# Altium PCB AccessControl_V1.0.0.PcbDoc (part 2 of 3) (continued)
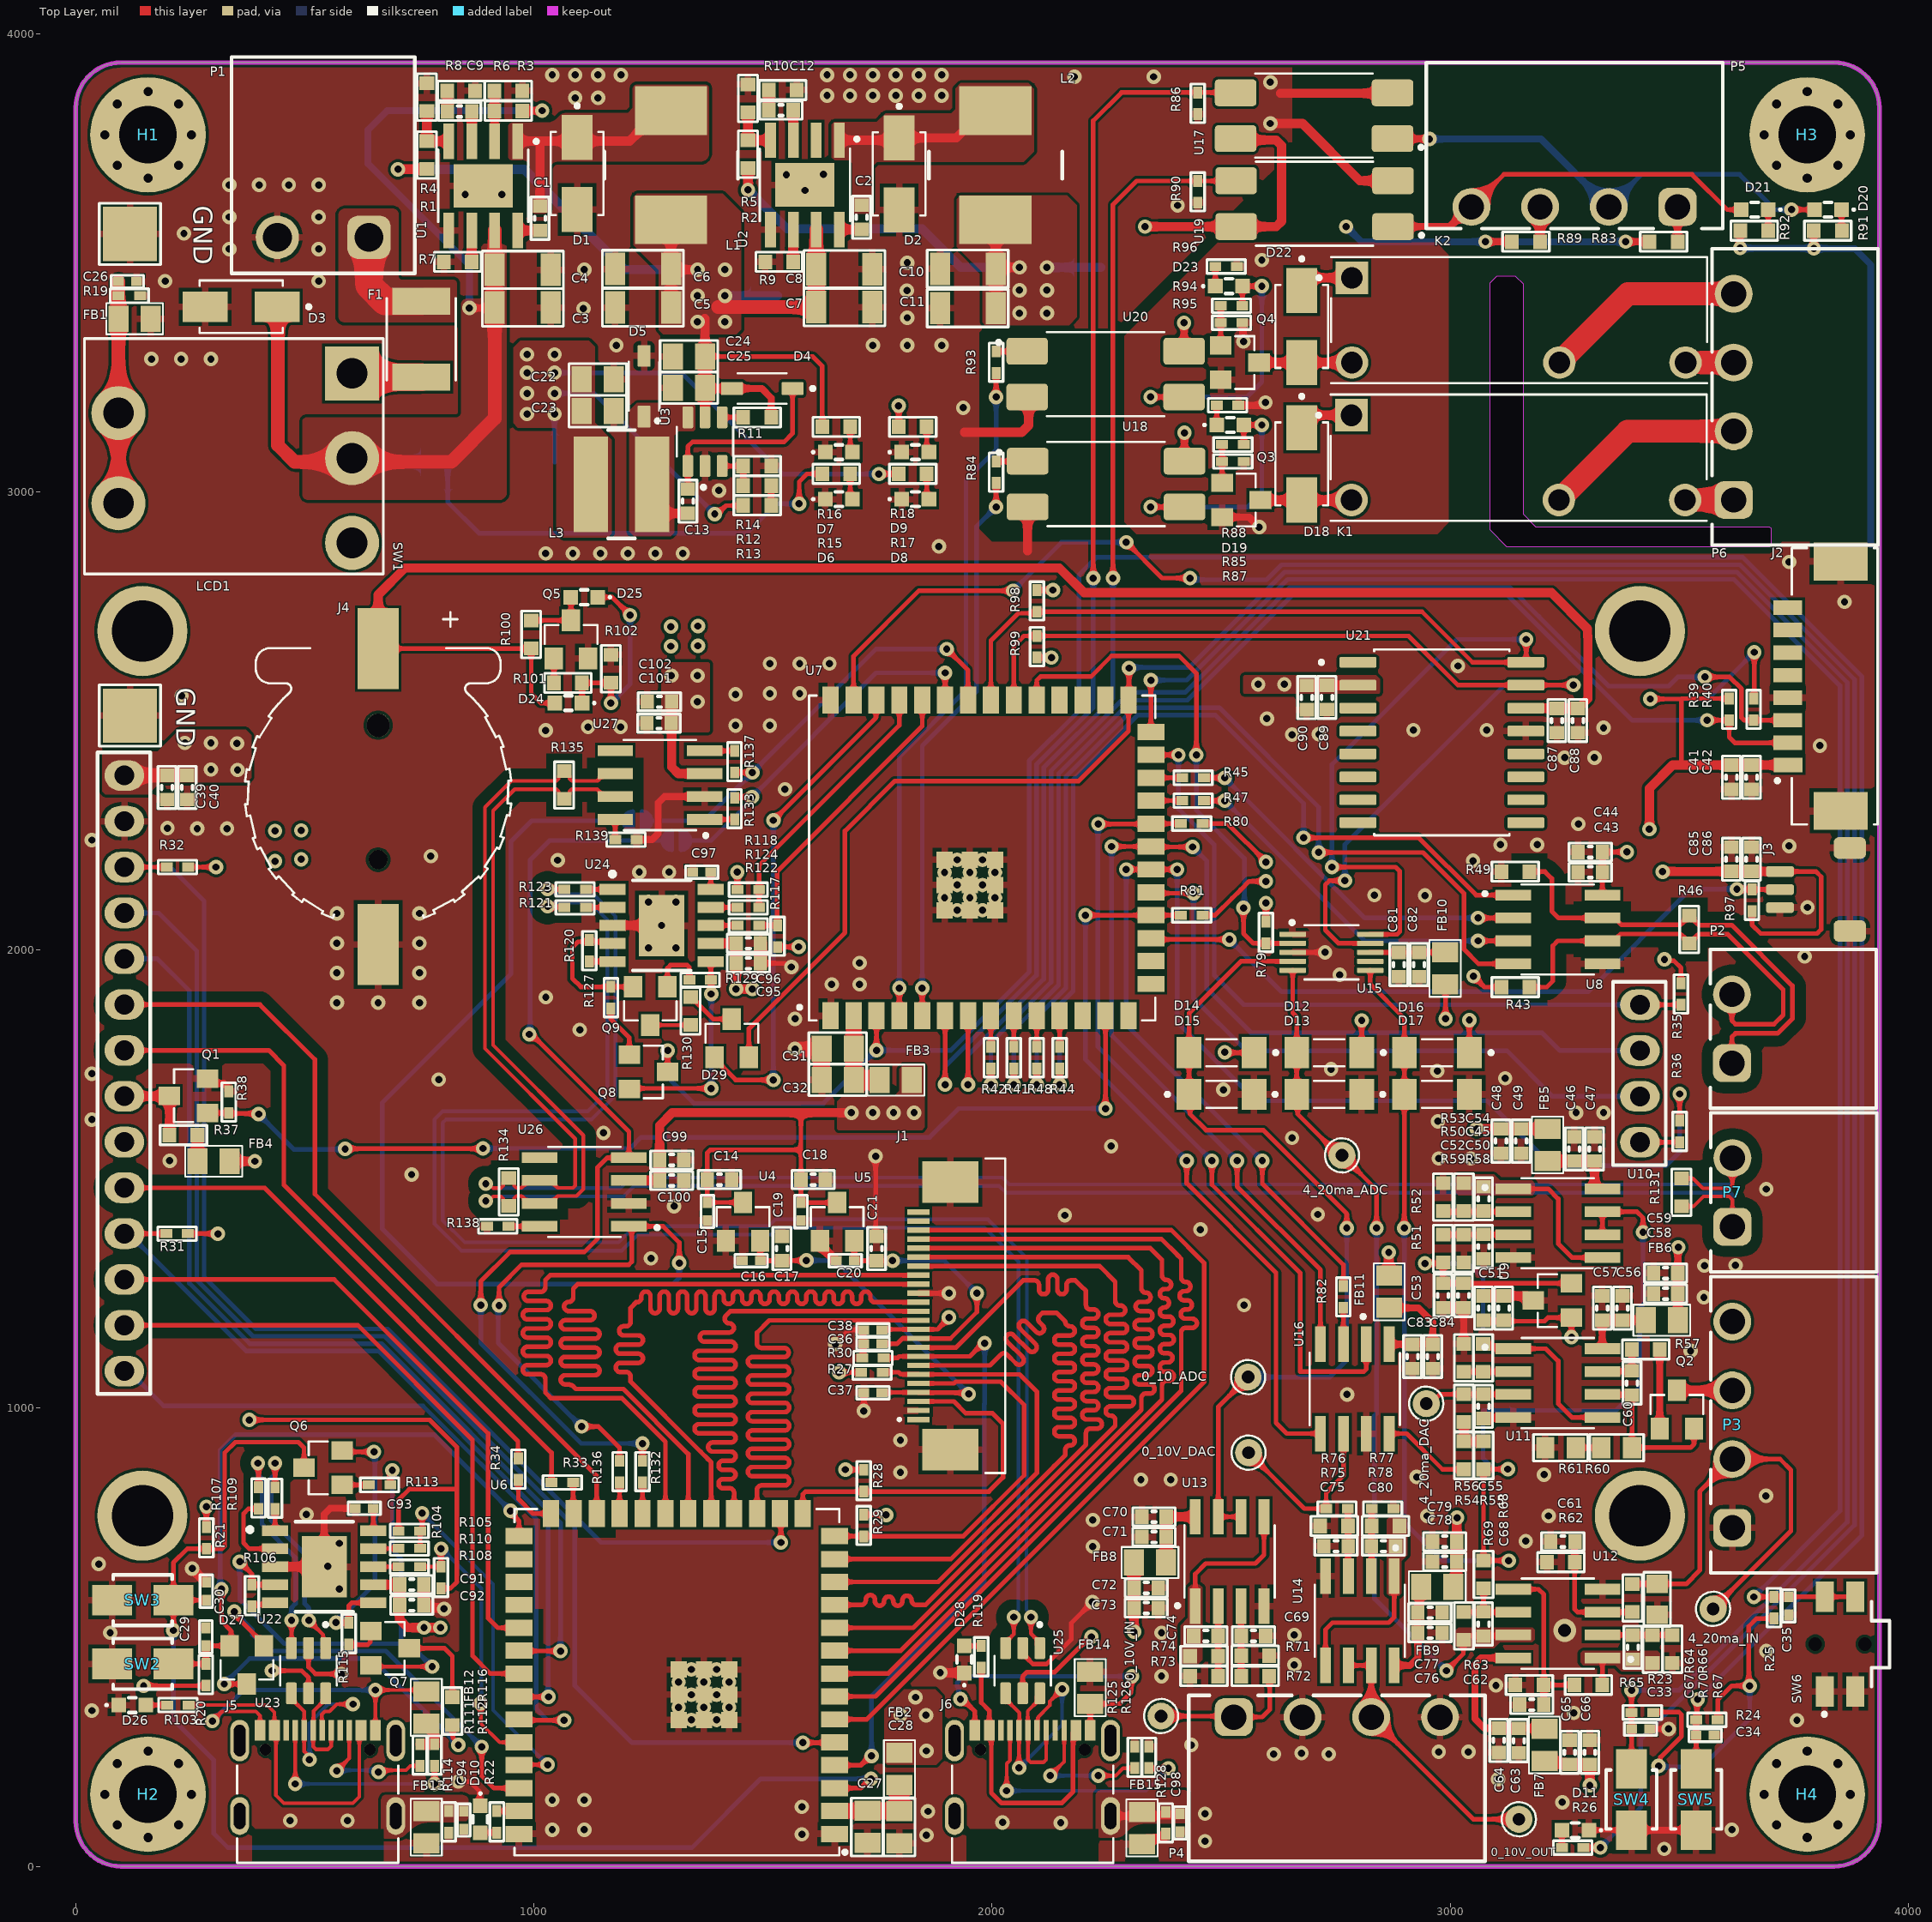
[diagram p0: Top Layer view]
## Nets (pads, with @x,y where several pads share a name; then routed paths per layer and width w, separated by ;. In a path a pad name is that pad's centre, name@x,y a point inside that pad or via, vN(x,y) a via of type N, cw(c..) or ccw(c..) an arc to the next point about the centre after c; other vN are vias at no path point) (continued)
  other v1: 353,2393 295,2394 352,2451 238,2452 295,2452 985,3170 985,3215 985,3260 985,3300 1045,3300
12V: C5.2 C6.2 C7.2 C8.2 C24.2 C25.2 C48.2 C49.2 C58.2 C59.2 C65.2 C66.2 C72.2 C73.2 C78.2 C79.2 D4.A D18.1 D22.1 FB5.2 FB6.2 FB7.2 FB8.2 FB9.2 K1.1 K2.1 L1.2 P3.4 R1.2 R11.2 R16.2 R83.1 R89.1 TP6.1 U2.7 U3.5 U18.4 U20.4 | length 14346.6
  Top Layer w10: C24.2@1373.38,3295.6 C24.2@1373.68,3295.6 1608.4,3295.6 1629.5,3274.5 R16.2@1629.5,3142
  Top Layer w15: C25.2@1373.68,3226.6 1374.68,3225.6 1497.4,3225.6 1517.88,3205.12 R11.2@1517.88,3162.6 ; v1(2419,3369) 2419.26,3368.74 U20.4@2419.26,3307 ; v1(2420,3129) 2420,3067.26 U18.4@2420.26,3067 ; D22.1@2676,3439.72 2676,3441.32 D22.1@2701.96,3467.28 ; D18.1@2677,3139.72 2677,3141.32 D18.1@2702.96,3167.28 ; v1(3077,3546) R89.1@3135,3546 ; v1(3383,3546) R83.1@3435.5,3546 ; FB6.2@3497.11,1192 C58.2@3497.11,1250 C59.2@3497.11,1295 3497.11,1350.47 v1(3498.05,1351.41)
  Top Layer w20: v1(703.32,3704) 703.54,3704.22 766.09,3704.22 R1.2@766.32,3704.44 ; C5.2@1298.85,3401.97 C5.2@1299.32,3402.44 C6.2@1299.32,3486.44 ; L1.2@1299.32,3590.91 C6.2@1299.32,3486.44 ; v1(1357.32,3485) 1300.76,3485 C6.2@1299.32,3486.44 ; 1373,3378 1373.38,3377.62 1373.38,3295.6 U3.5@1373.38,3162.75 U3.5@1373.85,3163.22 ; FB8.2@2309.89,663 C72.2@2309.89,608 C73.2@2309.89,564 2309.95,563.95 2309.95,512.05 v1(2310,512) ; D22.1@2701.96,3467.28 K2.1@2785.65,3467.28 ; D18.1@2702.96,3167.28 K1.1@2784.65,3167.28 ; FB9.2@3007.11,610 3007.11,616.5 3014.57,623.97 C78.2@3014.57,665 C79.2@3014.57,709 3014.57,760.57 v1(3015,761) ; v1(3058,1610) 3058.36,1609.64 C48.2@3111,1609.64 C49.2@3155,1609.64 FB5.2@3213,1609.64 ; FB7.2@3206,229.89 3209.73,226.16 3257.27,226.16 C65.2@3261,222.43 C66.2@3305,222.43 v1(3305,177)
  Top Layer w30: 1402.63,3403 C7.2@1616.32,3403 C8.2@1616.32,3486 U2.7@1616.32,3572.56
  PWR w15: v1(2419,3369) v1@2419.5,3368.5 ; v1@2419.5,3129.5 v1(2420,3129) ; 2650.24,3249 2650.6,3249.36 ; 2650.6,3577 2771,3577 v1(2773,3579)
  PWR w20: v1(2310,512) 2389.28,591.28 3015,591.28 ; v1@2419.5,3129.5 2419.5,3249 ; v1@2419.5,3368.5 2419.5,3249 ; 2650.24,3249 2419.5,3249 ; 2650.6,3167.81 2651.13,3167.28 2698,3167.28 K1.1@2784.65,3167.28 ; 2650.6,3468.39 2651.71,3467.28 K2.1@2785.65,3467.28 ; v1(3015,761) 3015,591.28 ; v1(3058,1610) 3172,1610 3291.67,1490.33 3498.05,1490.33 ; v1(3498.05,1351.41) 3498.05,1490.33 ; 3610.52,252.52 3607.58,252.52 3268.82,591.28 3015,591.28 ; P3.4@3616,1189 3750,1189 3836.3,1189 3840,1185.3 ; 3840,1638.71 3540.71,1638.71 3498.05,1596.05 3498.05,1490.33
  PWR w30: v1(1417,3428) 1417,3485.4 1399.39,3503.02 1399.39,3705.39 1454,3760 2535,3760 2650.6,3644.4 2650.6,3577 2650.6,3468.39 2650.6,3249.36 2650.6,3167.81
  PWR w40: 2698,3167.28 2698,2785 3112,2371 3787,2371 3840,2318 3840,1638.71 3840,1185.3 ; v1(3305,177) 3332,150 3508,150 3610.52,252.52 ; 3607.58,252.52 3750,394.94 3750,1189
  Bottom Layer w15: v1(2773,3579) 2806,3546 v1(3077,3546) v1(3383,3546)
  Bottom Layer w20: v1(703.32,3704) 979.32,3704 1198.32,3485 v1(1357.32,3485) ; v1(1417,3428) TP6.1@1532,3428
  other v1: 1357,3371 1417,3371 1357,3428 1417,3485
12V_FILTER_1: C46.2 C47.2 FB5.1 U10.8 | length 180
  Top Layer w20: FB5.1@3213,1539.43 C46.2@3271,1539.43 C47.2@3316.3,1539.43 ; C47.2@3315.31,1539.43 3315.31,1480.57 3317.13,1478.76 U10.8@3332.44,1478.76
12V_FILTER_2: C56.2 C57.2 FB6.1 U11.8 | length 157.1
  Top Layer w15: U11.8@3332.44,1130 3332,1130.44 C57.2@3332,1192 C56.2@3376,1192 FB6.1@3426.89,1192
12V_FILTER_3: C63.2 C64.2 FB7.1 U12.8 | length 369.7
  Top Layer w15: U12.8@3137.56,455 3067.5,455 3054,441.5 3054,322 3074.43,301.57 C64.2@3106,301.57 3106.73,300.84 3205.27,300.84 FB7.1@3206,300.11
12V_FILTER_4: C70.2 C71.2 FB8.1 U13.8 | length 163.6
  Top Layer w20: FB8.1@2380.11,663 C71.2@2380.11,719 C70.2@2380.11,763 U13.8@2443.74,763.04 U13.8@2443.74,763.04
12V_FILTER_5: C76.2 C77.2 FB9.1 U14.8 | length 215.9
  Top Layer w15: U14.8@2878,438.56 2912.21,438.56 2929.43,455.77 C76.2@2929.43,510 C77.2@2929.43,554 2933.16,557.73 2933.16,606.27 FB9.1@2936.89,610
Battery: C87.2 C88.2 D24.A J4.P R100.2 U21.14 | length 3627
  Top Layer w10: J4.P@660,2657.98 993.48,2657.98 R100.2@994,2658.5 994,2560 1015,2539 D24.A@1046,2539
  Top Layer w20: J4.P@660,2657.98 660,2775.28 718.72,2834 2147,2834 2201,2780 3221,2780 3299.52,2701.48 3299.95,2691.43 ccw(c3414.27,2696.35) 3300.38,2685.28 3301.05,2678.36 3301.05,2548.64 3279.98,2527.57 C88.2@3279,2527.57 C87.2@3233,2527.57 3232.79,2527.79 3165.48,2527.79 U21.14@3165.27,2528
BLE_DIR: Q7.2 R106.2 R113.1 U22.4 | length 1228.3
  Top Layer w8: Q7.2@644.27,438.6 646.87,436 v1(778,436)
  Top Layer w10: v1(358,665) 384.26,638.74 R106.2@384.26,614.63 ; R106.2@387.26,617.63 390.26,614.63 U22.4@434.98,614.63 ; R113.1@686.62,832.6 686.62,860.39 v1(690.89,864.66)
  Bottom Layer w10: v1(358,665) 358,583 455,486 709.97,486 728,486 v1(778,436) ; v1(690.89,864.66) 690.89,690.49 710,671.38 710,486.03
BLE_LED_STATUS: R22.1 U6.39 | length 48.5
  Top Layer w10: R22.1@919,120.79 U6.39@967.51,120.79
BLE_N: R107.1 U23.3 | length 494.1
  Top Layer w8: U23.3@470.6,476.41 471,476.81 v1(471,537)
  Top Layer w10: v1@397.5,879.69 399,878.19 R107.1@399,827.62
  Bottom Layer w10: v1(397.5,880) 397.5,855.5 406.25,846.75 406.25,746.96 479.75,673.47 479.75,573.75 471,565 v1(471,537)
BLE_P: R109.1 U23.1 | length 509.3
  Top Layer w8: v1(508.5,537) 539.89,505.6 539.89,481.92 U23.1@545.4,476.41
  Top Layer w10: R109.1@435,827.24 v1(435,880)
  Bottom Layer w10: v1(435,880) 435,856.07 426.25,847.32 426.25,755.25 499.75,681.75 499.75,573.25 508.5,564.5 v1(508.5,537)
BLE_RTS: Q6.2 R115.1 U22.6 | length 601.2
  Top Layer w10: v1(568,532) 568.19,531.81 595.81,531.81 R115.1@596,531.62 596,569.4 601.86,575.26 U22.6@649.54,575.26 ; Q6.2@581.46,907.4 584.09,904.77 v1(650.77,904.77)
  Bottom Layer w10: v1(568,532) 653,617 653,902.55 v1(650.77,904.77)
BLE_USB_N: J5.A7 J5.B7 U23.4 | length 465.7
  Top Layer w8: U23.4@470.6,377.59 470.6,365.39 478.21,357.77 478.98,357.77 498.47,338.28 498.47,250.89 510,239.36 v1(510,233) ; J5.A7@537.84,296.81 537,297.65 537,331.53 543.42,337.95 553.63,337.95 569.69,354 v1(605,354)
  Bottom Layer w8: v1(510,233) 510,313 551,354 v1(605,354)
BLE_USB_P: J5.A6 J5.B6 U23.6 | length 206.8
  Top Layer w8: U23.6@545.4,377.59 545.4,365.39 519,338.98 519,297.65 J5.A6@518.16,296.81 518.16,261.26 524.21,255.21 550.21,255.21 557.53,262.53 J5.B6@557.53,296.81
CAN_N: P7.1 R131.2 R134.1 R135.2 U26.7 U27.7 | length 4484.6
  Top Layer w8: v1(895,1452.5) 901.36,1452.5 911.11,1462.25 928.31,1462.25 933,1457.57 933,1452.5 944,1441.5 R134.1@945,1441.5 946,1441.5 957,1452.5 957,1458.31 961.69,1463 973.09,1463 977.78,1458.31 977.78,1454.81 985.59,1447 U26.7@1012.56,1447 1039.53,1447 1047.34,1454.81 1047.34,1458.31 1052.03,1463 1092.77,1463 1108,1478.23 1108,1595.46 911,1792.46 911,2304 958,2351 1049.31,2351 1054,2346.31 1054,2340.5 1065,2329.5 R135.2@1066,2329.5 ; R135.2@1067,2329.5 1078,2340.5 1078,2346.31 1082.69,2351 1138.09,2351 1142.78,2346.31 1142.78,2342.81 1150.59,2335 U27.7@1177.56,2335 ; R131.2@3505,1440.55 3531.56,1440.55 3553.06,1462.06 3609,1462.06 3616.14,1454.91 P7.1@3616.14,1396.06
  Bottom Layer w8: v1(895,1452.5) 901.36,1452.5 911.11,1462.25 1195.71,1462.25 1218.73,1485.27 2015.12,1485.27 2030,1470.39 3611.46,1470.39 3616.14,1465.71 P7.1@3616.14,1396.06
CAN_P: P7.2 R131.1 R134.2 R135.1 U26.6 U27.6 | length 4469
  Top Layer w8: v1(895,1490) 901.36,1490 911.11,1480.25 927.57,1480.25 933,1485.69 933,1491.5 944,1502.5 R134.2@945,1502.5 946,1502.5 957,1491.5 957,1485.69 961.69,1481 973.09,1481 977.78,1485.69 977.78,1489.19 985.59,1497 U26.6@1012.56,1497 1039.53,1497 1047.34,1489.19 1047.34,1485.69 1052.03,1481 1085.31,1481 1090,1485.69 1090,1588 893,1785 893,2311.46 950.54,2369 1049.31,2369 1054,2373.69 1054,2379.5 1065,2390.5 R135.1@1066,2390.5 ; R135.1@1067,2390.5 1078,2379.5 1078,2373.69 1082.69,2369 1138.09,2369 1142.78,2373.69 1142.78,2377.19 1150.59,2385 U27.6@1177.56,2385 ; R131.1@3505,1501.55 3530.19,1501.55 3547,1484.74 3551.69,1480.06 3609,1480.06 3616.14,1487.2 P7.2@3616.14,1546.06
  Bottom Layer w8: v1(895,1490) 901.36,1490 911.11,1480.25 1188.25,1480.25 1211.27,1503.27 2022.58,1503.27 2037.46,1488.39 3611.46,1488.39 3616.14,1493.08 P7.2@3616.14,1546.06
GND: C3.1 C4.1 C5.1 C6.1 C7.1 C8.1 C10.1 C11.1 C14.1 C15.1 C16.1 C17.1 C18.1 C19.1 C20.1 C21.1 C22.1 C23.1 C24.1 C25.1 C26.2 C27.1 C28.1 C29.1 C30.1 C31.1 C32.1 C33.1 C34.1 C35.1 C36.1 C37.1 C38.1 C39.1 C40.1 C41.1 C42.1 C43.1 C44.1 C45.2 C46.1 C47.1 C48.1 C49.1 C50.1 C51.1 C52.1 C53.1 C55.1 C56.1 C57.1 C58.1 C59.1 C61.2 C62.2 C63.1 C64.1 C65.1 C66.1 C69.2 C70.1 C71.1 C72.1 C73.1 C75.2 C76.1 C77.1 C78.1 C79.1 C81.1 C82.1 C83.1 C84.1 C85.1 C86.1 C87.1 C88.1 C89.1 C90.1 C91.1 C92.1 C93.1 C94.2 C95.1 C96.1 C97.1 C98.2 C99.1 C100.1 C101.1 C102.1 D1.2 D2.2 D3.2 D5.A D6.C D7.C D8.C D9.C D10.C D11.C D13.A D15.A D17.A D26.C D28.C FB1.2 FB12.2 FB13.2 FB14.2 FB15.2 GND.1 J1.2 J1.15 J1.SH1 J1.SH2 J2.4 J2.SH1 J2.SH2 J3.3 J3.SH1 J3.SH2 J4.N LCD1.2 P1.2 P3.1 P4.2 P4.4 Q1.2 Q3.2 Q4.2 Q5.2 R4.1 R5.1 R6.1 R7.1 R8.1 R9.1 R10.1 R14.1 R19.2 R30.1 R38.1 R49.2 R50.2 R52.1 R59.1 R61.2 R62.2 R63.2 R66.1 R67.1 R71.2 R73.1 R75.2 R77.1 R86.1 R87.1 R88.1 R90.1 R91.1 R92.1 R95.1 R96.1 R102.1 R111.1 R112.1 R114.2 R125.1 R126.1 R128.2 R138.2 R139.2 SW2.1 SW3.1 SW4.1 SW5.1 SW6.1 SW6.3 U1.5 U1.9 U2.5 U2.9 U3.2 U4.1 U5.1 U6.1 U6.40 U6.41_1 U6.41_2 U6.41_3 U6.41_4 U6.41_5 U6.41_6 U6.41_7 U6.41_8 U6.41_9 U6.41_10 U6.41_11 U6.41_12 U6.41_13 U6.41_14 U6.41_15 U6.41_16 U6.41_17 U6.41_18 U6.41_19 U6.41_20 U6.41_21 U7.1 U7.40 U7.41_1 U7.41_2 U7.41_3 U7.41_4 U7.41_5 U7.41_6 U7.41_7 U7.41_8 U7.41_9 U7.41_10 U7.41_11 U7.41_12 U7.41_13 U7.41_14 U7.41_15 U7.41_16 U7.41_17 U7.41_18 U7.41_19 U7.41_20 U7.41_21 U8.5 U9.3 U10.4 U11.4 U12.4 U13.4 U14.4 U15.1 U15.3 U16.7 U17.2 U18.2 U19.2 U20.2 U21.13 U22.3 U22.11 U23.2 U24.3 U24.11 U25.2 U26.2 U27.2 | length 4915.1
  Top Layer w10: GND.1@118.11,3562.99 GND.1@119.12,3564 ; U23.2@508,476.41 508,435 523,420 v1(580,420) ; v1(835,185) 860,185 880.49,164.51 880.49,135.11 D10.C@883,132.6 ; C95.1@1494.57,1971 1548.18,1971 1556.18,1963 v1(1562,1963) ; v1(1658,1140) 1689,1171 C38.1@1720.32,1171 1718.35,1169.03 1718.35,1111.6 R30.1@1716.38,1109.63 R30.1@1715.75,1109 ; v1(1720,994) 1720.16,994.16 1720.16,1033.67 C37.1@1720.32,1033.83 ; v1(1746,1550) 1746,1377.15 C21.1@1748,1375.15 ; J1.15@1839.12,1250.94 J1.15@1839.72,1250.35 ; J1.15@1839.15,1250.97 v1(1906,1251) ; v1@1908.73,1250.35 v1@1909.33,1249.75 ; U25.2@2066.93,476.41 2066.93,464.2 2089.54,441.59 2118.8,441.59 2173,495.79 2173,531 v1(2219,577) ; U15.3@2656.35,1995 v1(2727,1995) ; C89.1@2731,2524.43 C89.1@2731,2524.85 ; D11.C@3302.93,79 3395.93,79 SW4.1@3396,79.07 ; C33.1@3435.37,300 v1(3477,300) ; v1(3633,3532) 3633,3569.5 R92.1@3633.5,3570 ; J3.3@3720,2092.68 J3.3@3720.16,2092.84 ; v1@3779.84,2092.84 v1(3780,2093) ; v1(3794,3531) R91.1@3794,3570
  Top Layer w15: Q1.2@287.73,1719.4 298.19,1708.94 322.71,1708.94 331.5,1700.15 331.5,1694.12 R38.1@334,1691.62 ; U22.11@542.26,654 542.26,768.26 555.6,781.6 C93.1@610.17,781.6 ; R139.2@1224.62,2241 1258,2241 1271,2254 1271,2321 1285,2335 U27.2@1372.44,2335 ; Q3.2@2502.27,2944.84 2561.58,2944.84 v1(2583.27,2923.15) ; R88.1@2537.7,3189 2587.47,3189 2593.47,3195 v1(2597,3195) ; R95.1@2546.51,3369.24 2547.76,3368 2547.76,3329.24 v1(2549,3328) ; C53.1@2984.34,1219.43 C52.1@3029,1219.43 3029.5,1218.93 3029.5,1141 R59.1@3030,1140.5 ; C55.1@3073,977.43 3074.29,978.71 3136.27,978.71 U11.4@3137.56,980 ; SW4.1@3396,79.07 SW5.1@3537,79.07
  Top Layer w20: v1(254,650) 281.82,622.18 284.84,622.18 285,622.02 C30.1@285,620.37 ; U22.3@434.98,654 U22.11@542.26,654 ; R111.1@751,266.62 R112.1@783,266.62 783,299.89 771,311.89 FB12.2@765,311.89 ; C92.1@759.78,569.02 764.54,564.25 798.64,564.25 800.89,562 v1(804,562) ; C92.1@759.78,570 C91.1@759.78,615 ; U24.3@1171.43,2053.74 v1(1278.72,2053.74) ; U5.1@1624.6,1365.54 1624.6,1361.91 1634.6,1351.91 1634.6,1345.78 1658.38,1322 C20.1@1660.03,1322 ; v1(1887,423) 1887.52,422.48 1938.85,422.48 D28.C@1939.37,421.95 ; 1940,3130 2065,3130 2080,3145 2080,3203.74 ccw(c2076.74,3203.74) U20.2@2076.74,3207 ; 2077.74,2871.07 U18.2@2077.74,2967 ; FB15.2@2327.52,48.89 2339.52,60.89 2372.03,60.89 2379.52,68.38 R128.2@2379.52,71.38 ; v1@2609,3804 2678,3804 2803,3679 U19.2@2875.26,3679 ; 2630,3870 2873.26,3870 U17.2@2874.26,3871 ; C50.1@3073,1245.15 C51.1@3117,1245.15 3167.5,1245.15 3177.65,1235 U9.3@3181.27,1235
  Top Layer w30: C95.1@1494.57,1971 C96.1@1494.57,2015 ; v1(1570,1784) 1570.29,1784.29 1627.18,1784.29 C31.1@1627.89,1785 C32.1@1627.89,1716
  Bottom Layer w10: GND.1@118.11,2511.81 GND.1@118.3,2512 ; v1@234.99,3562.99 v1(236,3564)
  Bottom Layer w15: v1(3633,3532) 3633.5,3531.5 3793.5,3531.5 v1(3794,3531) 3883,3531 3918.51,3495.49 3918.51,2885
  other v1: 3467.51,38.35 2465,55 1857,68 1585,70 1040,80 1110,80 3615,80 2150,95 2023,96 468,100 593,100 2465,115 1860,120 1585,130 3245,140 1040,145 1110,145 3105,190 2615,245 2735,245 2675.49,247.25 2975,250 3040,250 2435,265 3757,319 3270,335 35,340 3100,395 2370,415 2660,440 3690,470 2660,505 75,510 2370,510 575,605 550,655 50,660 2220,698 575,705 3165,710 2220,756 2950,765 3215,765 503.6,768.25 3689.58,808.68 2325.08,844 2390,844 2927,850 3205,855 1800,860 1800,930 2775,1030 3525,1125 2550,1225 3554,1242 3555,1311 3623,1312 1255.46,1326.91 2455,1390 2159,1421 2711,1423 1306,1441 3690.05,1478.09 733,1510 205,1540 2975,1545 3045,1545 2260,1572 2655,1590 1152,1601 2973.09,1626.24 35,1630 3275,1645 3335,1645 2505,1695 792.1,1717.27 3120,1720 35,1730 2972,1736 2740,1740 1100,1826 1570,1850 570,1885 660,1885 750,1885 1026,1897 1650,1925 1711,1925 2759,1946 570,1950 750,1950 1711,1972 3774,1986 1250,2005 1310,2005 570,2015 750,2015 570,2080 750,2080 1250,2105 1310,2105 2945,2119 2834.54,2119.66 1230,2170 1295,2170 3050,2195 1052,2196 775,2205 3740,2227 3110,2230 3190,2230 35,2240 265,2265 330,2265 200,2266 3280,2275 1548,2351 3250,2420 3315,2420 3807,2446 2655,2470 2713.53,2470.92 1025.75,2479.43 2920,2480 3080,2480 3335,2485 1118,2487 1189,2487 1440,2490 1515,2490 2600,2505 231,2555 1440,2558 1515,2560 1580,2560 3017,2620 1515,2625 1580,2625 1645,2625 3861,2760 3740,2847 1025.75,2865.75 1085,2865.75 1145,2865.75 1205,2865.75 1265,2865.75 1325,2865.75 1884,2881 1404,3003 1937.27,3183.66 165,3290 230,3290 295,3290 1180,3320 1740,3320 1815,3320 1890,3320 1815,3380 1108.15,3400.26 1814.31,3439.59 195,3460 530,3460 1110,3485 1815,3500 2589,3506 335,3530 530,3530 335,3600 530,3600 2405,3625.15 850,3649 930.4,3648.75 1592,3658 335,3670 400,3670 465,3670 530,3670 1551,3692 1632,3693 2607.44,3804 1090,3860 1140,3860 1640,3865 1690,3865 1740,3865 1790,3865 1840,3865 1890,3865 2607.44,3894 2180,3906 2353,3906 1040,3910 1090,3910 1140,3910 1190,3910 1640,3910 1690,3910 1740,3910 1790,3910 1840,3910 1890,3910
  other v2: 3250,515
LCD_BL: LCD1.8 Q1.3 R37.1 | length 184.8
  Top Layer w20: LCD1.8@106,1681 203.27,1681 Q1.3@204.27,1682 204.5,1681.77 R37.1@204.5,1596
NetC1_1: C1.1 U1.8 | length 49
  Top Layer w20: U1.8@964.32,3570.56 C1.1@1013.32,3570.56
NetC1_2: C1.2 D1.1 L1.1 U1.1 | length 504.1
  Top Layer w20: U1.1@964.32,3765.44 1013.28,3765.44 ; C1.2@1013.32,3623.71 1013.32,3765.4 1013.28,3765.44 ; L1.1@1299.32,3829.09 1270.72,3829.09 1230.57,3788.94 1230.57,3787.26 1208.76,3765.44 1094.32,3765.44 1013.28,3765.44
NetC2_1: C2.1 U2.8 | length 49
  Top Layer w20: U2.8@1666.32,3572.56 C2.1@1715.32,3572.56
NetC2_2: C2.2 D2.1 L2.1 U2.1 | length 367.8
  Top Layer w20: U2.1@1666.32,3767.44 1792.02,3767.44 D2.1@1797.32,3772.74 1922.37,3772.74 1981.72,3832.09 L2.1@2007.32,3832.09
NetC9_1: C9.1 R8.2 | length 44.8
  Top Layer w15: C9.1@810.82,3830.79 810.99,3830.97 810.99,3875.27 R8.2@810.82,3875.44
NetC9_2: C9.2 U1.3 | length 65
  Top Layer w20: U1.3@864.32,3765.44 C9.2@864.32,3830.44
NetC12_1: C12.1 R10.2 | length 44
  Top Layer w20: C12.1@1512.74,3833 1512.78,3833.04 R10.2@1512.82,3877 R10.2@1512.82,3877
NetC12_2: C12.2 U2.3 | length 65.7
  Top Layer w20: C12.2@1565.89,3833 1566.1,3832.79 1566.1,3767.65 U2.3@1566.32,3767.44
NetC13_1: C13.1 D4.C U3.1 | length 432.1
  Top Layer w10: C13.1@1336.38,3006.17 1335.98,3006.57 U3.1@1335.98,3056.45 1335.98,3098.98 1346,3109 1546,3109 1564.52,3127.52 D4.C@1564.52,3225.6 D4.C@1565,3226.08
NetC13_2: C13.2 D5.C L3.1 U3.6 | length 125.6
  Top Layer w20: L3.1@1258.31,3016.6 1258.31,2980.43 1285.71,2953.02 C13.2@1336.38,2953.02
NetC26_1: C26.1 FB1.1 R19.1 SW1.SH | length 483.8
  Top Layer w30: SW1.SH@93.16,2975.21 SW1.SH@93.16,3172.06 FB1.1@93.16,3378 R19.1@93.16,3428 C26.1@93.16,3459
NetC27_2: C27.2 C28.2 FB2.1 U6.2 | length 198.6
  Top Layer w30: U6.2@1656.49,120.79 1656.59,120.89 1797.89,120.89 C28.2@1798,121 FB2.1@1798,178
NetC29_2: C29.2 D27.2 R20.1 SW2.2 U6.27 | length 1380.3
  Top Layer w10: SW2.2@212.93,442 R20.1@284,442 C29.2@284,481.37 D27.2@336,481.37 339,484.37 339,514.17 318,535.17 v1(318,605) ; v1(949,776) 949,772.02 967.51,753.5 U6.27@967.51,720.79
  Bottom Layer w10: v1(318,605) 315,608 315,908.63 348.37,942 783,942 v1(949,776)
NetC30_2: C30.2 Q6.3 R21.1 SW3.2 U6.3 | length 2862.4
  Top Layer w10: v1(212.93,515) SW3.2@212.93,581 ; C30.2@286.93,579.07 C30.2@285,581 SW3.2@212.93,581 ; Q6.3@498,870 498,914 486,926 348,926 325,903 325,699.23 319.14,693.37 R21.1@285,693.37 243.37,693.37 212.93,662.93 SW3.2@212.93,581 ; U6.3@1656.49,170.79 1713.73,170.79 1733.94,191 v1(1736,191)
  Bottom Layer w10: v1(212.93,515) 212.93,320.07 301,232 301,72 332,41 1345,41 1495,191 v1(1736,191)
NetC31_2: C31.2 C32.2 FB3.1 U7.2 | length 197.4
  Top Layer w30: U7.2@1697.62,1856.45 1697.96,1856.11 1697.96,1716.34 C32.2@1698.31,1716 FB3.1@1755,1716
NetC33_2: C33.2 D29.2 R23.1 SW4.2 U7.27 | length 5807.4
  Top Layer w10: D29.2@1469.4,1765.9 1469.4,1828.4 1679,2038 1679,2260 1788,2369 2189,2369 2297.83,2477.83 2297.83,2545.22 2299,2546.39 v1(2299,2615.25) ; SW4.2@3396,212.93 C33.2@3396,300 R23.1@3396,336 v1(3396,384.59)
  Bottom Layer w10: v1(2299,2615.25) 2300.75,2617 2430.63,2617 2638.63,2825 3625.75,2825 3867,2583.75 3867,751.63 3499.96,384.59 v1@3398.15,384.59
NetC34_2: C34.2 Q8.3 R24.1 SW5.2 U7.3 | length 6390.6
  Top Layer w10: Q8.3@1291.73,1734 1291.73,1780.27 v1(1292.07,1780.61) ; U7.3@1747.62,1856.45 1747.88,1856.19 v1(1747.88,1781.16) ; SW5.2@3537,212.93 C34.2@3537,286 R24.1@3537,320 3538.71,321.71 3538.71,362.88 v1(3540.41,364.59)
  Bottom Layer w10: v1(1292.07,1780.61) 1292.07,1722.31 1349.38,1665 1631.72,1665 v1(1747.88,1781.16) 1910.16,1781.16 2081,1952 2081,2413.25 2190,2522.25 2190,2819 2228,2857 3639,2857 3899,2597 3899,723.17 v1(3540.41,364.59)
NetC45_1: C45.1 R50.1 R51.2 U10.3 | length 149.9
  Top Layer w10: R51.2@2987.65,1378.76 U10.3@3137.56,1378.76
NetC54_1: C54.1 R52.2 R53.1 U10.2 | length 151.5
  Top Layer w10: R52.2@2986.65,1430.26 2988.15,1428.76 U10.2@3137.56,1428.76
NetC54_2: C54.2 R53.2 U10.1 U10.5 | length 314.4
  Top Layer w10: U10.1@3137.56,1478.76 3214.24,1478.76 3236,1457 3236,1359 3266.24,1328.76 U10.5@3332.44,1328.76
NetC55_2: 4_20ma_DAC.1 C55.2 R56.2 U11.3 | length 199.4
  Top Layer w10: 4_20ma_DAC.1@2948,1010 2957.89,1010 2978.39,1030.5 R56.2@3030,1030.5 ; R56.2@3028.75,1030.25 3073,1030.25 U11.3@3137.31,1030.25
  Top Layer w15: U11.3@3137.31,1030.25 U11.3@3137.56,1030
NetC60_1: C60.1 Q2.2 R60.2 U11.6 | length 352.2
  Top Layer w10: U11.6@3332.44,1030 3333.23,1029.21 3396.21,1029.21 C60.1@3397,1028.43 R60.2@3397,914 3525,914 3532.4,921.4 Q2.2@3532.4,955.54
NetC60_2: C60.2 R57.1 U11.7 | length 111.6
  Top Layer w10: U11.7@3333.23,1080.79 C60.2@3396.21,1080.79 ; C60.2@3396.75,1081.32 R57.1@3396.75,1127.75
  Top Layer w20: U11.7@3332.44,1080 U11.7@3333.23,1080.79 ; C60.2@3396.21,1080.79 C60.2@3396.75,1081.32 ; R57.1@3396.5,1128 R57.1@3396.75,1127.75
NetC61_1: C61.1 R62.1 R64.2 U12.3 | length 277
  Top Layer w10: C61.1@3272.56,709 3272,708.44 3272,560.86 3277.86,555 U12.3@3332.44,555 3397.5,555 R64.2@3398,555.5
NetC62_1: C62.1 R63.1 R65.2 U12.5 | length 379.2
  Top Layer w10: U12.5@3137.56,605 3193,605 3204.56,593.44 R63.1@3204.56,396 ; C62.1@3204.56,353 R63.1@3204.56,396 ; R65.2@3271.5,396 R63.1@3204.56,396
NetC67_1: C67.1 R67.2 R70.1 U12.2 | length 152.8
  Top Layer w10: U12.2@3332.44,505 C67.1@3399,505 3484.5,505 R67.2@3485,504.5
NetC67_2: C67.2 R65.1 R70.2 U12.1 | length 59
  Top Layer w10: U12.1@3332.44,455 3332.5,454.94 R65.1@3332.5,396
NetC68_1: C68.1 R68.2 R69.1 U12.6 | length 162.4
  Top Layer w10: R69.1@3027.32,554.57 3027.53,554.79 C68.1@3073,554.79 ; C68.1@3073,554.5 C68.1@3073,554.79 ; R68.2@3073,606.5 C68.1@3073,554.79 ; U12.6@3137.56,555 3137.35,554.79 C68.1@3073,554.79
NetC68_2: 4_20ma_ADC.1 C68.2 D12.A D13.C R69.2 U12.7 U15.5 | length 1870.5
  Top Layer w10: U15.5@2656.35,1955.63 2656.35,1862.91 2665.13,1854.13 D12.A@2665.13,1776 D13.C@2665.13,1685 2667.2,1682.94 2667.2,1641.8 2757,1552 4_20ma_ADC.1@2764,1552 2839.33,1476.67 v1(2839.33,1393.25) ; v1(2992,427) 3029,464 3029,493.5 R69.2@3030,494.5 3038.71,503.21 3135.77,503.21 U12.7@3137.56,505
  Bottom Layer w10: v1(2839.33,1393.25) 2839.33,987.88 2835,983.55 2835,584 v1(2992,427)
NetC69_1: C69.1 R71.1 R72.2 U13.3 | length 153.2
  Top Layer w10: U13.3@2543.74,568.16 2543.74,415.66 R72.2@2544.24,415.16
NetC74_1: C74.1 R73.2 R74.1 U13.2 | length 153.2
  Top Layer w10: R73.2@2493.24,415.16 2493.74,415.66 U13.2@2493.74,568.16
NetC74_2: C74.2 R74.2 U13.1 U13.5 | length 320.3
  Top Layer w10: U13.1@2443.74,568.16 2443.74,638.16 2466.74,661.16 2574.74,661.16 2593.74,680.16 U13.5@2593.74,763.04
NetC75_1: C75.1 R75.1 R76.2 U14.3 | length 148.1
  Top Layer w10: R76.2@2776.62,781 2777.31,780.31 2777.31,634.13 U14.3@2778,633.44
NetC80_1: C80.1 R77.2 R78.1 U14.2 | length 148
  Top Layer w10: U14.2@2828,633.44 2828.5,633.94 R78.1@2828.5,743 2828.5,780.5 R77.2@2829,781
NetC80_2: C80.2 R78.2 U14.1 U14.5 | length 329.1
  Top Layer w10: U14.5@2728,438.56 2728,517 2743,532 2866.14,532 2878,543.86 U14.1@2878,633.44
NetC81_2: C81.2 C82.2 FB10.1 U15.8 | length 163.4
  Top Layer w10: U15.8@2825.65,1995 C81.2@2888,1995 C82.2@2932,1995 FB10.1@2989,1995
NetC83_2: C83.2 C84.2 FB11.1 U16.1 | length 251.3
  Top Layer w15: FB11.1@2867,1218.89 2931.11,1218.89 2962,1188 C84.2@2962,1139.57 ; U16.1@2872,1139.44 2872.13,1139.57 2923,1139.57 C84.2@2967,1139.57
NetC93_2: C93.2 U22.10 | length 48.9
  Top Layer w10: U22.10@649.54,732.74 C93.2@649.54,781.6
NetC94_1: C94.1 FB13.1 J5.SH R114.1
NetC97_2: C97.2 U24.10 | length 37.5
  Top Layer w10: U24.10@1386,2132.48 C97.2@1386,2170
NetC98_1: C98.1 FB15.1 J6.SH R128.1 | length 214.3
  Top Layer w10: J6.SH@2258.8,92.22 J6.SH@2258.8,110 J6.SH@2258.8,130.67 ; J6.SH@2258.8,253.53 J6.SH@2258.8,274.57
  Top Layer w15: J6.SH@2258.8,110 2407.8,110 2410.52,112.72 C98.1@2410.52,114.68
NetD6_A: D6.A R15.1 | length 57.3
  Top Layer w10: R15.1@1690.5,3039.33 1690.5,2988.73 D6.A@1695.23,2984
NetD7_A: D7.A R16.1 | length 57.3
  Top Layer w10: R16.1@1690.5,3142 1690.5,3091.4 D7.A@1695.23,3086.67
NetD8_A: D8.A R17.1 | length 57.3
  Top Layer w10: R17.1@1857.5,3039.33 1857.5,2988.73 D8.A@1862.23,2984
NetD9_A: D9.A R18.1 | length 57.3
  Top Layer w10: R18.1@1857.5,3142 1857.5,3091.4 D9.A@1862.23,3086.67
NetD10_A: D10.A R22.2 | length 36
  Top Layer w10: D10.A@883,73.54 R22.2@919,73.54
NetD11_A: D11.A R26.2 | length 38
  Top Layer w10: R26.2@3243.87,41 D11.A@3243.87,79
NetD14_A: 0_10_ADC.1 D14.A D15.C U13.6 U13.7 U15.4 | length 1859
  Top Layer w10: U13.6@2543.74,763.04 U13.7@2493.74,763.04 2493.74,835.26 2493.87,835.39 2493.87,1002.87 0_10_ADC.1@2559,1068 ; U15.4@2656.35,1975.32 2543.32,1975.32 2430.13,1862.13 D14.A@2430.13,1776 D15.C@2430.13,1685 2432.2,1682.94 2432.2,1641.8 2467,1607 2592,1607 2774.33,1424.67 v1(2774.33,1393.25)
  Bottom Layer w10: 0_10_ADC.1@2559,1068 2737.95,1068 2774.33,1104.37 v1(2774.33,1393.25)
NetD18_2: D18.2 K1.2 Q3.3 | length 198.9
  Top Layer w20: Q3.3@2585.73,2982.24 D18.2@2676,2982.24 K1.2@2784.65,2982.24
NetD19_A: D19.A R85.1 U18.3 | length 561.8
  Top Layer w10: v1(2346,2967) U18.3@2420.26,2967 ; R85.1@2549.51,3103.24 D19.A@2549.51,3136 ; D19.A@2550.51,3135 D19.A@2549.51,3136 ; v1(2589,3146) D19.A@2549.51,3146 D19.A@2549.51,3136
  Bottom Layer w10: v1(2346,2967) 2558,2967 2589,2998 v1(2589,3146)
NetD19_C: D19.C R88.2 | length 43
  Top Layer w10: D19.C@2490.46,3146 R88.2@2490.46,3189
NetD20_A: D20.A P5.2 U17.1 | length 1044.2
  Top Layer w10: v1(3745,3616) D20.A@3795.47,3616
  Top Layer w15: U17.1@2874.26,3771 2874.76,3770.5 2954.5,3770.5 v1(2955,3770)
  Bottom Layer w10: P5.2@3346.46,3622.05 3417.41,3693 3632,3693 3709,3616 v1(3745,3616)
  Bottom Layer w15: v1(2955,3770) 3198.5,3770 P5.2@3346.46,3622.05
NetD20_C: D20.C R91.2 | length 46.2
  Top Layer w10: D20.C@3854.53,3616 3854.53,3570.47 R91.2@3855,3570
NetD21_A: D21.A P5.4 U19.1 | length 839.3
  Top Layer w10: P5.4@3046.46,3622.05 3117.41,3693 3528,3693 3605,3616 D21.A@3635.47,3616
  Top Layer w15: U19.1@2875.26,3579 2999.22,3579 3042.27,3622.05 P5.4@3046.46,3622.05
NetD21_C: D21.C R92.2 | length 46
  Top Layer w10: R92.2@3694.5,3570 D21.C@3694.53,3616
NetD22_2: D22.2 K2.2 Q4.3 | length 202.9
  Top Layer w20: Q4.3@2582.73,3282.24 D22.2@2676,3282.24 K2.2@2785.65,3282.24
NetD23_A: D23.A R94.1 U20.3 | length 614.2
  Top Layer w10: v1(2346,3207) U20.3@2419.26,3207 ; R94.1@2546.51,3406.24 D23.A@2546.51,3449 v1(2589,3449)
  Bottom Layer w10: v1(2346,3207) 2556,3207 2589,3240 v1@2589,3439
NetD23_C: D23.C R96.2 | length 43
  Top Layer w10: D23.C@2487.46,3449 R96.2@2487.46,3492
NetD24_C: D24.C D25.C R101.1 R102.2 | length 448.5
  Top Layer w10: D24.C@1105.06,2539 1105.06,2582.44 R101.1@1104.5,2583 1167.5,2583 R102.2@1168,2583.5 v1(1168,2539) ; D25.C@1139.53,2770 1171,2770 v1(1210,2731)
  Bottom Layer w10: v1(1168,2539) 1210,2581 v1(1210,2731)
NetD25_A: D25.A Q5.3 R100.1 | length 137.6
  Top Layer w10: R100.1@994,2719.5 1080.77,2719.5 Q5.3@1081,2719.73 1081,2769.47 D25.A@1080.47,2770
NetD26_A: D26.A R103.2 | length 46.8
  Top Layer w10: D26.A@152.53,352 R103.2@199.38,352